# KiCad board nixie.kicad_pcb
date: 2024-10-04; rev: 1.1
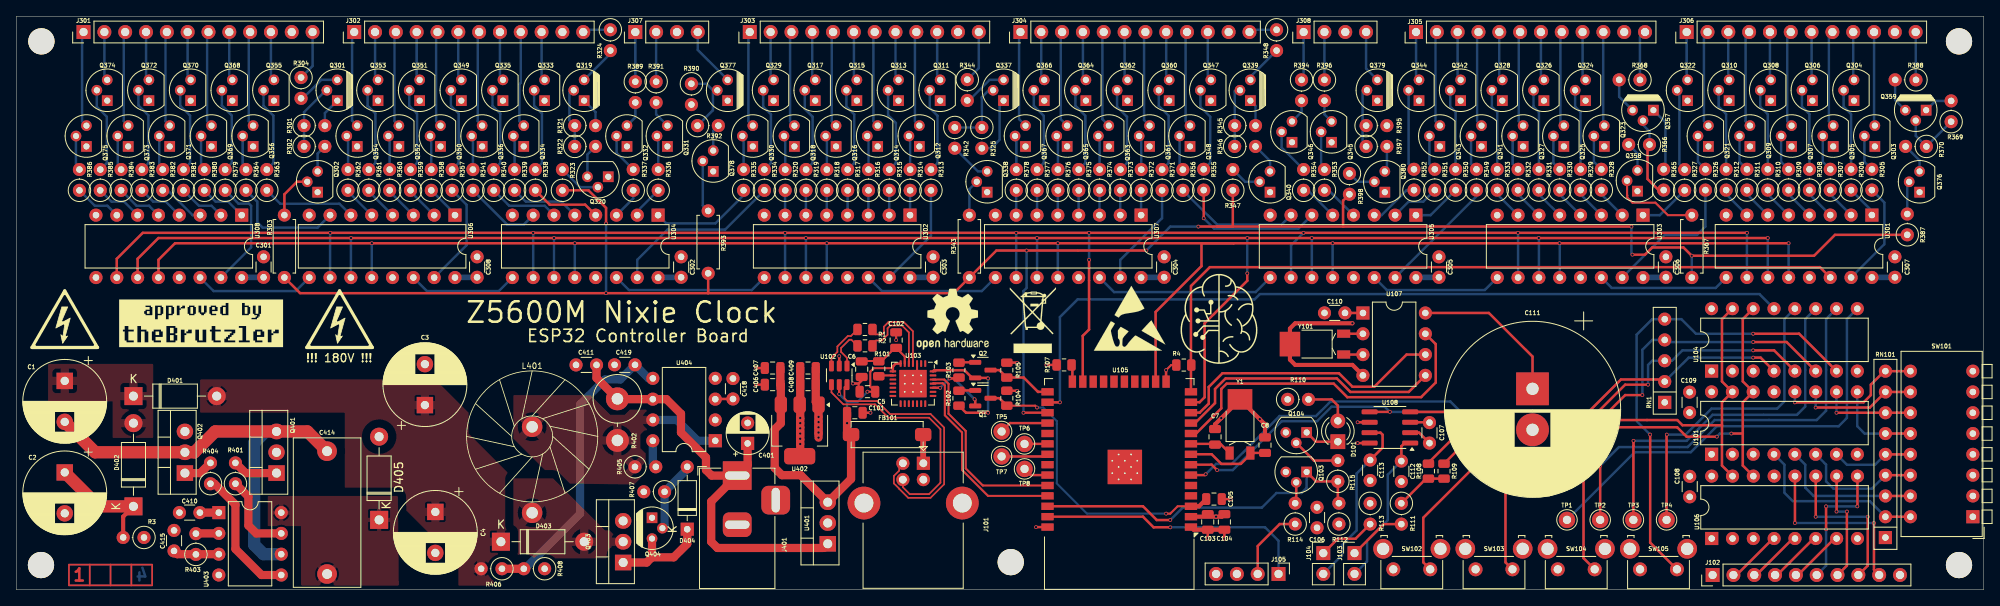
[diagram p0: board, top side]
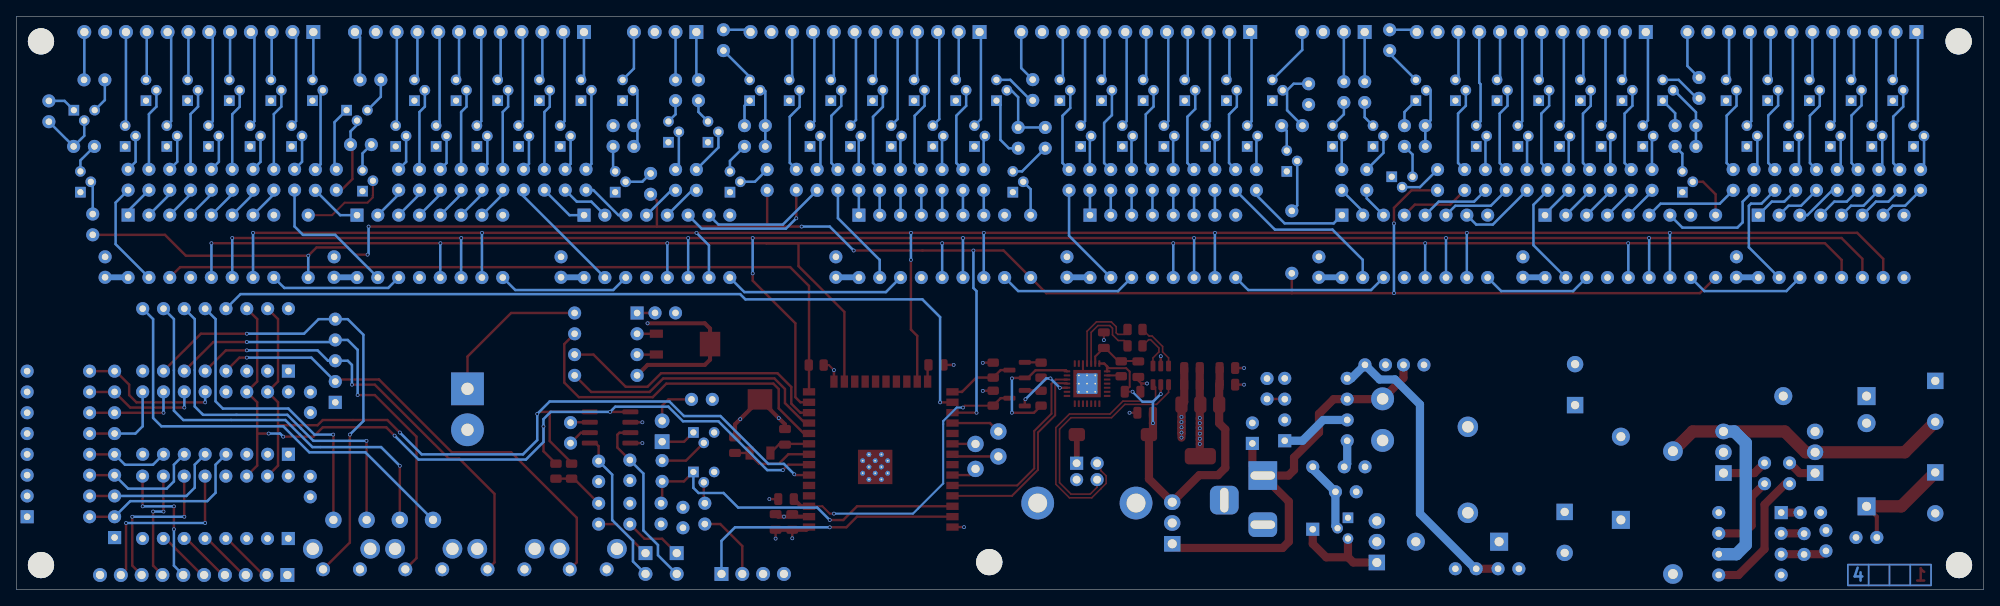
[diagram p1: board, bottom side, seen from below]

Outline 240 x 70 mm; copper layers: Top, In1.Cu (plane), In2.Cu (plane), Bottom. Coordinates in mm from the lower left corner of the outline.
Outline path: 0,70 240,70 240,0 0,0 0,70
Stack: Top 0.035mm / dielectric 0.2104mm FR4 er 4.5 / In1.Cu 0.0152mm / dielectric 1.065mm FR4 er 4.5 / In2.Cu 0.0152mm / dielectric 0.2104mm FR4 er 4.5 / Bottom 0.035mm

## Placement (name value [footprint] x y rotation side)
C1  22µ 250V  [CP_Radial_D10.0mm_P5.00mm]  5.9 25.49 270 top
C2  22µ 250V  [CP_Radial_D10.0mm_P5.00mm]  5.9 14.31 270 top
C3  22µ 250V  [CP_Radial_D10.0mm_P5.00mm]  49.84 22.53 90 top
C4  22µ 250V  [CP_Radial_D10.0mm_P5.00mm]  51.11 9.49 270 top
C5  100n  [C_0805_2012Metric]  103.83 24.17 180 top
C6  4µ7  [C_0805_2012Metric]  103.13 26.92 270 top
C7  10p  [C_0805_2012Metric]  146.23 18.66 90 top
C8  10p  [C_0805_2012Metric]  152.33 17.64 90 top
C101  4µ7  [C_0805_2012Metric]  102.29 21.6 0 top
C102  100n  [C_0805_2012Metric]  107.33 30.47 90 top
C103  4µ7  [C_0805_2012Metric]  145.34 8.26 270 top
C104  100n  [C_0805_2012Metric]  147.38 8.26 270 top
C105  100n  [C_0805_2012Metric]  146.11 11.06 0 top
C106  100n  [C_Disc_D3.0mm_W1.6mm_P2.50mm]  158.68 10.05 270 top
C107  100n  [C_Disc_D3.0mm_W1.6mm_P2.50mm]  172.4 20.4 270 top
C108  100n  [C_Disc_D3.0mm_W1.6mm_P2.50mm]  204.15 13.83 270 top
C109  100n  [C_Disc_D3.0mm_W1.6mm_P2.50mm]  204.13 24.12 270 top
C110  100n  [C_Disc_D3.0mm_W1.6mm_P2.50mm]  162.09 33.79 180 top
C111  1F 3V6  [CP_Radial_D21.5mm_P5.00mm]  184.97 22.02 270 top
C112  1n  [C_Disc_D3.0mm_W1.6mm_P2.50mm]  168.97 15.7 270 top
C113  1n  [C_Disc_D3.0mm_W1.6mm_P2.50mm]  165.16 15.82 270 top
C301  100n  [C_Disc_D3.0mm_W1.6mm_P2.50mm]  30.16 38.14 90 top
C302  100n  [C_Disc_D3.0mm_W1.6mm_P2.50mm]  81.1 38.14 90 top
C303  100n  [C_Disc_D3.0mm_W1.6mm_P2.50mm]  111.83 38.14 90 top
C304  100n  [C_Disc_D3.0mm_W1.6mm_P2.50mm]  140.03 38.14 90 top
C305  100n  [C_Disc_D3.0mm_W1.6mm_P2.50mm]  173.55 38.14 90 top
C306  100n  [C_Disc_D3.0mm_W1.6mm_P2.50mm]  201.24 38.14 90 top
C307  100n  [C_Disc_D3.0mm_W1.6mm_P2.50mm]  229.18 38.14 90 top
C308  100n  [C_Disc_D3.0mm_W1.6mm_P2.50mm]  56.21 38.14 90 top
C401  100µ  [CP_Radial_D5.0mm_P2.50mm]  89.21 17.85 90 top
C406  4µ7  [C_0805_2012Metric]  92.26 25.03 180 top
C407  100n  [C_0805_2012Metric]  92.26 27.06 180 top
C408  100n  [C_0805_2012Metric]  96.58 25.03 0 top
C409  4µ7  [C_0805_2012Metric]  96.58 27.06 0 top
C410  100n  [C_Disc_D3.0mm_W1.6mm_P2.50mm]  22.39 9.41 180 top
C411  100n  [C_Disc_D3.0mm_W1.6mm_P2.50mm]  70.78 27.44 180 top
C414  1µ  [C_Rect_L18.0mm_W8.0mm_P15.00mm_FKS3_FKP3]  37.9 1.91 90 top
C415  1n  [C_Disc_D3.0mm_W1.6mm_P2.50mm]  19.23 4.73 90 top
C418  200p  [C_Disc_D3.0mm_W1.6mm_P2.50mm]  87.42 23.28 90 top
C419  10n  [C_Disc_D3.0mm_W1.6mm_P2.50mm]  75.47 27.45 180 top
D101  LED  [LED_D3.0mm]  161.22 18.07 90 top
D401  UF4007  [D_DO-41_SOD81_P10.16mm_Horizontal]  14.28 23.63 0 top
D402  UF4007  [D_DO-41_SOD81_P10.16mm_Horizontal]  14.28 10.17 90 top
D403  UF4007  [D_DO-41_SOD81_P10.16mm_Horizontal]  59.11 5.85 0 top
D404  1N4148  [D_DO-35_SOD27_P7.62mm_Horizontal]  81.84 7.37 90 top
D405  UF4007  [D_DO-41_SOD81_P10.16mm_Horizontal]  44.25 8.52 90 top
FB101  SMB-001  [SMB-002]  106.23 18.93 0 top
G***  LOGO  [approved_theBrutzler]  22.54 32.52 0 top
G***#2  LOGO  [logo]  146.74 33.03 0 top
J101  USB_B  [USB_B_Lumberg_2411_02_Horizontal]  110.65 15.43 270 top
J102  Conn_01x10  [PinHeader_1x10_P2.54mm_Vertical]  206.94 1.79 90 top
J103  PT100 1  [PinHeader_1x02_P2.54mm_Vertical]  163.25 4.46 0 top
J104  PT100 2  [PinHeader_1x02_P2.54mm_Vertical]  159.44 4.46 0 top
J105  DCF77 Antenna  [PinHeader_1x04_P2.54mm_Vertical]  153.98 1.91 270 top
J301  Sec_One  [PinHeader_1x12_P2.54mm_Vertical]  8.19 68.09 90 top
J302  Sec_Ten  [PinHeader_1x12_P2.54mm_Vertical]  41.21 68.09 90 top
J303  Min_One  [PinHeader_1x12_P2.54mm_Vertical]  89.47 68.09 90 top
J304  Min_Ten  [PinHeader_1x12_P2.54mm_Vertical]  122.49 68.09 90 top
J305  Hr_One  [PinHeader_1x12_P2.54mm_Vertical]  170.75 68.09 90 top
J306  Hr_Ten  [PinHeader_1x12_P2.54mm_Vertical]  203.77 68.09 90 top
J307  Sec_Dec  [PinHeader_1x04_P2.54mm_Vertical]  75.51 68.09 90 top
J308  Sec_Dec  [PinHeader_1x04_P2.54mm_Vertical]  157.04 68.09 90 top
J401  Barrel_Jack  [BarrelJack_Horizontal]  87.94 13.93 90 top
L401  74µH  [FT50-43]  62.92 19.88 270 top
Q1  BC846  [SOT-23]  117.91 23.38 0 top
Q2  BC846  [SOT-23]  117.91 26.81 0 top
Q103  BC546  [TO-92]  157.41 14.37 180 top
Q104  BC546  [TO-92]  157.41 19.19 180 top
Q301  MPSA92  [TO-92]  39.15 59.71 90 top
Q302  MPSA42  [TO-92]  36.75 48.53 90 top
Q303  MPSA42  [TO-92]  226.73 54.12 90 top
Q304  MPSA42  [TO-92]  224.19 59.71 90 top
Q305  MPSA42  [TO-92]  221.65 54.12 90 top
Q306  MPSA42  [TO-92]  219.11 59.71 90 top
Q307  MPSA42  [TO-92]  216.57 54.12 90 top
Q308  MPSA42  [TO-92]  214.03 59.71 90 top
Q309  MPSA42  [TO-92]  211.49 54.12 90 top
Q310  MPSA42  [TO-92]  208.95 59.71 90 top
Q311  MPSA42  [TO-92]  112.7 59.71 90 top
Q312  MPSA42  [TO-92]  110.16 54.12 90 top
Q313  MPSA42  [TO-92]  107.62 59.71 90 top
Q314  MPSA42  [TO-92]  105.08 54.12 90 top
Q315  MPSA42  [TO-92]  102.54 59.71 90 top
Q316  MPSA42  [TO-92]  100 54.12 90 top
Q317  MPSA42  [TO-92]  97.46 59.71 90 top
Q318  MPSA42  [TO-92]  94.92 54.12 90 top
Q319  MPSA92  [TO-92]  69.27 59.71 90 top
Q320  MPSA42  [TO-92]  72.21 50.42 180 top
Q321  MPSA42  [TO-92]  206.43 54.12 90 top
Q322  MPSA42  [TO-92]  203.89 59.71 90 top
Q323  MPSA42  [TO-92]  193.73 54.12 90 top
Q324  MPSA42  [TO-92]  191.44 59.71 90 top
Q325  MPSA42  [TO-92]  188.79 54.12 90 top
Q326  MPSA42  [TO-92]  186.36 59.71 90 top
Q327  MPSA42  [TO-92]  183.82 54.12 90 top
Q328  MPSA42  [TO-92]  181.28 59.71 90 top
Q329  MPSA42  [TO-92]  92.38 59.71 90 top
Q330  MPSA42  [TO-92]  89.84 54.12 90 top
Q331  MPSA42  [TO-92]  79.43 54.12 90 top
Q332  MPSA42  [TO-92]  74.49 54.12 90 top
Q333  MPSA42  [TO-92]  64.44 59.71 90 top
Q334  MPSA42  [TO-92]  61.9 54.12 90 top
Q335  MPSA42  [TO-92]  59.36 59.71 90 top
Q336  MPSA42  [TO-92]  56.82 54.12 90 top
Q337  MPSA92  [TO-92]  120.43 59.71 90 top
Q338  MPSA42  [TO-92]  118.44 48.53 90 top
Q339  MPSA92  [TO-92]  150.55 59.71 90 top
Q340  MPSA42  [TO-92]  152.94 48.53 90 top
Q341  MPSA42  [TO-92]  178.74 54.12 90 top
Q342  MPSA42  [TO-92]  176.2 59.71 90 top
Q343  MPSA42  [TO-92]  173.66 54.12 90 top
Q344  MPSA42  [TO-92]  171.12 59.71 90 top
Q345  MPSA42  [TO-92]  160.45 54.63 90 top
Q346  MPSA42  [TO-92]  155.62 54.63 90 top
Q347  MPSA42  [TO-92]  145.72 59.71 90 top
Q348  MPSA42  [TO-92]  143.18 54.12 90 top
Q349  MPSA42  [TO-92]  54.28 59.71 90 top
Q350  MPSA42  [TO-92]  51.74 54.12 90 top
Q351  MPSA42  [TO-92]  49.2 59.71 90 top
Q352  MPSA42  [TO-92]  46.66 54.12 90 top
Q353  MPSA42  [TO-92]  44.12 59.71 90 top
Q354  MPSA42  [TO-92]  41.58 54.12 90 top
Q355  MPSA42  [TO-92]  31.42 59.71 90 top
Q356  MPSA42  [TO-92]  28.88 54.12 90 top
Q357  MPSA92  [TO-92]  199.72 58.54 180 top
Q358  MPSA42  [TO-92]  197.77 48.66 90 top
Q359  MPSA92  [TO-92]  232.99 58.54 180 top
Q360  MPSA42  [TO-92]  140.64 59.71 90 top
Q361  MPSA42  [TO-92]  138.25 54.12 90 top
Q362  MPSA42  [TO-92]  135.56 59.71 90 top
Q363  MPSA42  [TO-92]  133.27 54.12 90 top
Q364  MPSA42  [TO-92]  130.48 59.71 90 top
Q365  MPSA42  [TO-92]  128.19 54.12 90 top
Q366  MPSA42  [TO-92]  125.4 59.71 90 top
Q367  MPSA42  [TO-92]  123.11 54.12 90 top
Q368  MPSA42  [TO-92]  26.34 59.71 90 top
Q369  MPSA42  [TO-92]  23.8 54.12 90 top
Q370  MPSA42  [TO-92]  21.26 59.71 90 top
Q371  MPSA42  [TO-92]  18.7 54.12 90 top
Q372  MPSA42  [TO-92]  16.16 59.71 90 top
Q373  MPSA42  [TO-92]  13.64 54.12 90 top
Q374  MPSA42  [TO-92]  11.08 59.71 90 top
Q375  MPSA42  [TO-92]  8.54 54.12 90 top
Q376  MPSA42  [TO-92]  232.19 48.53 90 top
Q377  MPSA92  [TO-92]  86.78 59.71 90 top
Q378  MPSA42  [TO-92]  85.01 51.07 90 top
Q379  MPSA92  [TO-92]  166.04 59.71 90 top
Q380  MPSA42  [TO-92]  166.95 48.53 90 top
Q401  IRF740  [TO-220-3_Vertical]  31.73 14.23 90 top
Q402  IRF740  [TO-220-3_Vertical]  20.56 14.23 90 top
Q403  IRF740  [TO-220-3_Vertical]  74.03 3.31 90 top
Q404  BC556  [TO-92]  77.55 8.77 270 top
R1  22R  [R_0805_2012Metric]  103.53 29.77 0 top
R2  22R  [R_0805_2012Metric]  103.53 31.77 180 top
R3  220k  [R_Axial_DIN0207_L6.3mm_D2.5mm_P2.54mm_Vertical]  15.57 6.37 180 top
R4  4k7  [R_0805_2012Metric]  142.42 27.42 180 top
R101  1k  [R_0805_2012Metric]  105.21 26.97 270 top
R102  4k7  [R_0805_2012Metric]  114.99 23.38 90 top
R103  4k7  [R_0805_2012Metric]  114.99 26.81 90 top
R104  4k7  [R_0805_2012Metric]  120.83 23.38 270 top
R105  4k7  [R_0805_2012Metric]  120.83 26.81 270 top
R107  4k7  [R_0805_2012Metric]  127.82 27.44 180 top
R108  3k3  [R_0805_2012Metric]  172.27 14.47 90 top
R109  3k3  [R_0805_2012Metric]  174.17 14.47 90 top
R110  1k  [R_Axial_DIN0207_L6.3mm_D2.5mm_P2.54mm_Vertical]  155.09 23.23 0 top
R111  100 0.1%  [R_Axial_DIN0207_L6.3mm_D2.5mm_P2.54mm_Vertical]  168.97 10.54 270 top
R112  10k  [R_Axial_DIN0207_L6.3mm_D2.5mm_P2.54mm_Vertical]  161.35 8.01 90 top
R113  100 0.1%  [R_Axial_DIN0207_L6.3mm_D2.5mm_P2.54mm_Vertical]  165.16 10.54 270 top
R114  1k  [R_Axial_DIN0207_L6.3mm_D2.5mm_P2.54mm_Vertical]  156.01 8.01 90 top
R115  10k  [R_Axial_DIN0207_L6.3mm_D2.5mm_P2.54mm_Vertical]  161.22 13.22 90 top
R301  220k  [R_Axial_DIN0207_L6.3mm_D2.5mm_P2.54mm_Vertical]  35.09 56.66 0 top
R302  100k  [R_Axial_DIN0207_L6.3mm_D2.5mm_P2.54mm_Vertical]  35.09 54.12 0 top
R303  1k  [R_Axial_DIN0207_L6.3mm_D2.5mm_P7.62mm_Horizontal]  32.7 38.12 90 top
R304  15k  [R_Axial_DIN0207_L6.3mm_D2.5mm_P2.54mm_Vertical]  34.73 62.53 270 top
R305  1k  [R_Axial_DIN0207_L6.3mm_D2.5mm_P2.54mm_Vertical]  226.37 48.79 90 top
R306  1k  [R_Axial_DIN0207_L6.3mm_D2.5mm_P2.54mm_Vertical]  223.83 48.79 90 top
R307  1k  [R_Axial_DIN0207_L6.3mm_D2.5mm_P2.54mm_Vertical]  221.29 48.79 90 top
R308  1k  [R_Axial_DIN0207_L6.3mm_D2.5mm_P2.54mm_Vertical]  218.75 48.79 90 top
R309  1k  [R_Axial_DIN0207_L6.3mm_D2.5mm_P2.54mm_Vertical]  216.21 48.79 90 top
R310  1k  [R_Axial_DIN0207_L6.3mm_D2.5mm_P2.54mm_Vertical]  213.67 48.79 90 top
R311  1k  [R_Axial_DIN0207_L6.3mm_D2.5mm_P2.54mm_Vertical]  211.13 48.79 90 top
R312  1k  [R_Axial_DIN0207_L6.3mm_D2.5mm_P2.54mm_Vertical]  208.59 48.79 90 top
R313  1k  [R_Axial_DIN0207_L6.3mm_D2.5mm_P2.54mm_Vertical]  111.58 48.76 90 top
R314  1k  [R_Axial_DIN0207_L6.3mm_D2.5mm_P2.54mm_Vertical]  109.04 48.76 90 top
R315  1k  [R_Axial_DIN0207_L6.3mm_D2.5mm_P2.54mm_Vertical]  106.5 48.76 90 top
R316  1k  [R_Axial_DIN0207_L6.3mm_D2.5mm_P2.54mm_Vertical]  103.96 48.76 90 top
R317  1k  [R_Axial_DIN0207_L6.3mm_D2.5mm_P2.54mm_Vertical]  101.42 48.76 90 top
R318  1k  [R_Axial_DIN0207_L6.3mm_D2.5mm_P2.54mm_Vertical]  98.88 48.76 90 top
R319  1k  [R_Axial_DIN0207_L6.3mm_D2.5mm_P2.54mm_Vertical]  96.34 48.76 90 top
R320  1k  [R_Axial_DIN0207_L6.3mm_D2.5mm_P2.54mm_Vertical]  93.8 48.76 90 top
R321  220k  [R_Axial_DIN0207_L6.3mm_D2.5mm_P2.54mm_Vertical]  68.11 56.66 0 top
R322  100k  [R_Axial_DIN0207_L6.3mm_D2.5mm_P2.54mm_Vertical]  68.11 54.12 0 top
R323  1k  [R_Axial_DIN0207_L6.3mm_D2.5mm_P2.54mm_Vertical]  66.62 48.76 90 top
R324  15k  [R_Axial_DIN0207_L6.3mm_D2.5mm_P2.54mm_Vertical]  72.46 68.36 270 top
R325  220k  [R_Axial_DIN0207_L6.3mm_D2.5mm_P2.54mm_Vertical]  117.78 56.44 270 top
R326  1k  [R_Axial_DIN0207_L6.3mm_D2.5mm_P2.54mm_Vertical]  206.06 48.79 90 top
R327  1k  [R_Axial_DIN0207_L6.3mm_D2.5mm_P2.54mm_Vertical]  203.53 48.76 90 top
R328  1k  [R_Axial_DIN0207_L6.3mm_D2.5mm_P2.54mm_Vertical]  193.37 48.79 90 top
R329  1k  [R_Axial_DIN0207_L6.3mm_D2.5mm_P2.54mm_Vertical]  190.83 48.79 90 top
R330  1k  [R_Axial_DIN0207_L6.3mm_D2.5mm_P2.54mm_Vertical]  188.28 48.79 90 top
R331  1k  [R_Axial_DIN0207_L6.3mm_D2.5mm_P2.54mm_Vertical]  185.75 48.79 90 top
R332  1k  [R_Axial_DIN0207_L6.3mm_D2.5mm_P2.54mm_Vertical]  183.21 48.79 90 top
R333  1k  [R_Axial_DIN0207_L6.3mm_D2.5mm_P2.54mm_Vertical]  180.67 48.79 90 top
R334  1k  [R_Axial_DIN0207_L6.3mm_D2.5mm_P2.54mm_Vertical]  91.26 48.76 90 top
R335  1k  [R_Axial_DIN0207_L6.3mm_D2.5mm_P2.54mm_Vertical]  88.72 48.76 90 top
R336  1k  [R_Axial_DIN0207_L6.3mm_D2.5mm_P2.54mm_Vertical]  78.3 48.76 90 top
R337  1k  [R_Axial_DIN0207_L6.3mm_D2.5mm_P2.54mm_Vertical]  75.25 48.76 90 top
R338  1k  [R_Axial_DIN0207_L6.3mm_D2.5mm_P2.54mm_Vertical]  63.32 48.76 90 top
R339  1k  [R_Axial_DIN0207_L6.3mm_D2.5mm_P2.54mm_Vertical]  60.78 48.76 90 top
R340  1k  [R_Axial_DIN0207_L6.3mm_D2.5mm_P2.54mm_Vertical]  58.24 48.76 90 top
R341  1k  [R_Axial_DIN0207_L6.3mm_D2.5mm_P2.54mm_Vertical]  55.7 48.76 90 top
R342  100k  [R_Axial_DIN0207_L6.3mm_D2.5mm_P2.54mm_Vertical]  114.48 56.44 270 top
R343  1k  [R_Axial_DIN0207_L6.3mm_D2.5mm_P7.62mm_Horizontal]  116.26 38.11 90 top
R344  15k  [R_Axial_DIN0207_L6.3mm_D2.5mm_P2.54mm_Vertical]  116.01 62.28 270 top
R345  220k  [R_Axial_DIN0207_L6.3mm_D2.5mm_P2.54mm_Vertical]  148.63 56.66 0 top
R346  100k  [R_Axial_DIN0207_L6.3mm_D2.5mm_P2.54mm_Vertical]  148.63 54.12 0 top
R347  1k  [R_Axial_DIN0207_L6.3mm_D2.5mm_P2.54mm_Vertical]  148.41 48.76 90 top
R348  15k  [R_Axial_DIN0207_L6.3mm_D2.5mm_P2.54mm_Vertical]  153.74 68.36 270 top
R349  1k  [R_Axial_DIN0207_L6.3mm_D2.5mm_P2.54mm_Vertical]  178.12 48.79 90 top
R350  1k  [R_Axial_DIN0207_L6.3mm_D2.5mm_P2.54mm_Vertical]  175.59 48.79 90 top
R351  1k  [R_Axial_DIN0207_L6.3mm_D2.5mm_P2.54mm_Vertical]  173.05 48.79 90 top
R352  1k  [R_Axial_DIN0207_L6.3mm_D2.5mm_P2.54mm_Vertical]  170.5 48.79 90 top
R353  1k  [R_Axial_DIN0207_L6.3mm_D2.5mm_P2.54mm_Vertical]  159.58 48.76 90 top
R354  1k  [R_Axial_DIN0207_L6.3mm_D2.5mm_P2.54mm_Vertical]  157.04 48.76 90 top
R355  1k  [R_Axial_DIN0207_L6.3mm_D2.5mm_P2.54mm_Vertical]  144.85 48.79 90 top
R356  1k  [R_Axial_DIN0207_L6.3mm_D2.5mm_P2.54mm_Vertical]  142.31 48.76 90 top
R357  1k  [R_Axial_DIN0207_L6.3mm_D2.5mm_P2.54mm_Vertical]  53.16 48.76 90 top
R358  1k  [R_Axial_DIN0207_L6.3mm_D2.5mm_P2.54mm_Vertical]  50.62 48.76 90 top
R359  1k  [R_Axial_DIN0207_L6.3mm_D2.5mm_P2.54mm_Vertical]  48.08 48.76 90 top
R360  1k  [R_Axial_DIN0207_L6.3mm_D2.5mm_P2.54mm_Vertical]  45.54 48.76 90 top
R361  1k  [R_Axial_DIN0207_L6.3mm_D2.5mm_P2.54mm_Vertical]  43 48.76 90 top
R362  1k  [R_Axial_DIN0207_L6.3mm_D2.5mm_P2.54mm_Vertical]  40.46 48.76 90 top
R363  1k  [R_Axial_DIN0207_L6.3mm_D2.5mm_P2.54mm_Vertical]  30.55 48.76 90 top
R364  1k  [R_Axial_DIN0207_L6.3mm_D2.5mm_P2.54mm_Vertical]  28.01 48.76 90 top
R365  220k  [R_Axial_DIN0207_L6.3mm_D2.5mm_P2.54mm_Vertical]  200.97 48.79 90 top
R366  100k  [R_Axial_DIN0207_L6.3mm_D2.5mm_P2.54mm_Vertical]  199.24 54.35 180 top
R367  1k  [R_Axial_DIN0207_L6.3mm_D2.5mm_P7.62mm_Horizontal]  204.4 38.11 90 top
R368  15k  [R_Axial_DIN0207_L6.3mm_D2.5mm_P2.54mm_Vertical]  198.08 62.25 180 top
R369  220k  [R_Axial_DIN0207_L6.3mm_D2.5mm_P2.54mm_Vertical]  236.04 57.14 90 top
R370  100k  [R_Axial_DIN0207_L6.3mm_D2.5mm_P2.54mm_Vertical]  233.02 54.12 180 top
R371  1k  [R_Axial_DIN0207_L6.3mm_D2.5mm_P2.54mm_Vertical]  139.77 48.76 90 top
R372  1k  [R_Axial_DIN0207_L6.3mm_D2.5mm_P2.54mm_Vertical]  137.23 48.76 90 top
R373  1k  [R_Axial_DIN0207_L6.3mm_D2.5mm_P2.54mm_Vertical]  134.69 48.76 90 top
R374  1k  [R_Axial_DIN0207_L6.3mm_D2.5mm_P2.54mm_Vertical]  132.15 48.76 90 top
R375  1k  [R_Axial_DIN0207_L6.3mm_D2.5mm_P2.54mm_Vertical]  129.61 48.76 90 top
R376  1k  [R_Axial_DIN0207_L6.3mm_D2.5mm_P2.54mm_Vertical]  127.07 48.76 90 top
R377  1k  [R_Axial_DIN0207_L6.3mm_D2.5mm_P2.54mm_Vertical]  124.53 48.76 90 top
R378  1k  [R_Axial_DIN0207_L6.3mm_D2.5mm_P2.54mm_Vertical]  121.99 48.76 90 top
R379  1k  [R_Axial_DIN0207_L6.3mm_D2.5mm_P2.54mm_Vertical]  25.47 48.76 90 top
R380  1k  [R_Axial_DIN0207_L6.3mm_D2.5mm_P2.54mm_Vertical]  22.93 48.76 90 top
R381  1k  [R_Axial_DIN0207_L6.3mm_D2.5mm_P2.54mm_Vertical]  20.39 48.76 90 top
R382  1k  [R_Axial_DIN0207_L6.3mm_D2.5mm_P2.54mm_Vertical]  17.85 48.76 90 top
R383  1k  [R_Axial_DIN0207_L6.3mm_D2.5mm_P2.54mm_Vertical]  15.31 48.76 90 top
R384  1k  [R_Axial_DIN0207_L6.3mm_D2.5mm_P2.54mm_Vertical]  12.77 48.76 90 top
R385  1k  [R_Axial_DIN0207_L6.3mm_D2.5mm_P2.54mm_Vertical]  10.23 48.76 90 top
R386  1k  [R_Axial_DIN0207_L6.3mm_D2.5mm_P2.54mm_Vertical]  7.69 48.76 90 top
R387  1k  [R_Axial_DIN0207_L6.3mm_D2.5mm_P2.54mm_Vertical]  230.69 43.33 90 top
R388  15k  [R_Axial_DIN0207_L6.3mm_D2.5mm_P2.54mm_Vertical]  231.75 62.25 180 top
R389  150k  [R_Axial_DIN0207_L6.3mm_D2.5mm_P2.54mm_Vertical]  75.51 62.02 270 top
R390  220k  [R_Axial_DIN0207_L6.3mm_D2.5mm_P2.54mm_Vertical]  82.35 61.77 270 top
R391  150k  [R_Axial_DIN0207_L6.3mm_D2.5mm_P2.54mm_Vertical]  78.05 62.02 270 top
R392  100k  [R_Axial_DIN0207_L6.3mm_D2.5mm_P2.54mm_Vertical]  83.1 56.66 0 top
R393  1k  [R_Axial_DIN0207_L6.3mm_D2.5mm_P7.62mm_Horizontal]  84.4 46.25 270 top
R394  150k  [R_Axial_DIN0207_L6.3mm_D2.5mm_P2.54mm_Vertical]  156.79 62.25 270 top
R395  220k  [R_Axial_DIN0207_L6.3mm_D2.5mm_P2.54mm_Vertical]  164.66 56.66 0 top
R396  150k  [R_Axial_DIN0207_L6.3mm_D2.5mm_P2.54mm_Vertical]  159.58 62.25 270 top
R397  100k  [R_Axial_DIN0207_L6.3mm_D2.5mm_P2.54mm_Vertical]  164.66 54.12 0 top
R398  1k  [R_Axial_DIN0207_L6.3mm_D2.5mm_P2.54mm_Vertical]  162.63 50.82 270 top
R401  2  [R_Axial_DIN0207_L6.3mm_D2.5mm_P2.54mm_Vertical]  26.73 12.93 90 top
R402  0R461  [R_Axial_DIN0614_L14.3mm_D5.7mm_P5.08mm_Vertical]  73.32 23.3 270 top
R403  10k  [R_Axial_DIN0207_L6.3mm_D2.5mm_P2.54mm_Vertical]  21.9 4.3 90 top
R404  2  [R_Axial_DIN0207_L6.3mm_D2.5mm_P2.54mm_Vertical]  23.68 12.93 90 top
R405  180  [R_Axial_DIN0207_L6.3mm_D2.5mm_P2.54mm_Vertical]  75.47 14.99 0 top
R406  91k  [R_Axial_DIN0207_L6.3mm_D2.5mm_P2.54mm_Vertical]  59.24 2.55 180 top
R407  1k  [R_Axial_DIN0207_L6.3mm_D2.5mm_P2.54mm_Vertical]  79.08 11.95 180 top
R408  1k3  [R_Axial_DIN0207_L6.3mm_D2.5mm_P2.54mm_Vertical]  64.44 2.55 180 top
REF**  -  [MountingHole_3.2mm_M3_DIN965]  237 3 0 top
Ref**  Val**  [ladder_4]  11.49 1.79 0 top
REF**#2  -  [MountingHole_3.2mm_M3_DIN965]  121.31 3.36 0 top
REF**#3  -  [MountingHole_3.2mm_M3_DIN965]  3 3 0 top
REF**#4  -  [MountingHole_3.2mm_M3_DIN965]  237 66.95 0 top
REF**#5  -  [Symbol_HighVoltage_Triangle_8x7mm_Copper]  5.9 33.03 0 top
REF**#6  -  [Symbol_HighVoltage_Triangle_8x7mm_Copper]  39.43 33.03 0 top
REF**#7  -  [OSHW-Logo2_9.8x8mm_SilkScreen]  114.23 33.03 0 top
REF**#8  -  [ESD-Logo_8.9x8mm_SilkScreen]  135.82 33.16 0 top
REF**#9  -  [WEEE-Logo_5.6x8mm_SilkScreen]  124.01 32.9 0 top
REF**#10  -  [MountingHole_3.2mm_M3_DIN965]  3.05 66.95 0 top
RN1  10k  [R_Array_SIP5]  201.1 22.87 90 top
RN101  R_Network08  [R_Array_SIP9]  228.02 6.36 90 top
SW101  SW_DIP_x08  [SW_DIP_SPSTx08_Piano_CTS_Series194-8MSTN_W7.62mm_P2.54mm]  238.69 8.9 180 top
SW102  SW_SPST  [SW_SPST_Omron_B3F-315x_Angled]  172.49 2.48 180 top
SW103  SW_SPST  [SW_SPST_Omron_B3F-315x_Angled]  182.52 2.48 180 top
SW104  SW_SPST  [SW_SPST_Omron_B3F-315x_Angled]  192.55 2.48 180 top
SW105  SW_SPST  [SW_SPST_Omron_B3F-315x_Angled]  202.59 2.48 180 top
TP1  TestPoint  [Pin_D1.0mm_L10.0mm]  189.17 8.52 90 top
TP2  TestPoint  [Pin_D1.0mm_L10.0mm]  193.22 8.52 90 top
TP3  TestPoint  [Pin_D1.0mm_L10.0mm]  197.27 8.52 90 top
TP4  TestPoint  [Pin_D1.0mm_L10.0mm]  201.32 8.52 90 top
TP5  TestPoint  [Pin_D1.0mm_L10.0mm]  120.2 19.31 0 top
TP6  TestPoint  [Pin_D1.0mm_L10.0mm]  122.99 17.79 0 top
TP7  TestPoint  [Pin_D1.0mm_L10.0mm]  120.2 16.26 0 top
TP8  TestPoint  [Pin_D1.0mm_L10.0mm]  122.99 14.74 0 top
U101  PCF8574  [DIP-16_W7.62mm]  206.81 16.53 90 top
U102  USBLC6-2SC6  [SOT-23-6]  100.39 26.17 270 top
U103  CP2102N-Axx-xQFN28  [QFN-28-1EP_5x5mm_P0.5mm_EP3.35x3.35mm_ThermalVias]  109.38 25.15 270 top
U104  PCF8574  [DIP-16_W7.62mm]  206.81 26.69 90 top
U105  -  [ESP32-WROOM-32]  134.55 15.89 180 top
U106  PCF8574  [DIP-16_W7.62mm]  206.83 6.24 90 top
U107  DS1302+  [DIP-8_W7.62mm]  164.28 33.78 0 top
U108  MCP3426Axx-xSN  [SOIC-8_3.9x4.9mm_P1.27mm]  167.57 19.8 180 top
U301  74HC595  [DIP-16_W7.62mm]  226.37 45.74 270 top
U302  74HC595  [DIP-16_W7.62mm]  109.02 45.73 270 top
U303  74HC595  [DIP-16_W7.62mm]  198.45 45.73 270 top
U304  74HC595  [DIP-16_W7.62mm]  78.29 45.73 270 top
U305  74HC595  [DIP-16_W7.62mm]  170.74 45.73 270 top
U306  74HC595  [DIP-16_W7.62mm]  53.51 45.73 270 top
U307  74HC595  [DIP-16_W7.62mm]  137.22 45.73 270 top
U308  74HC595  [DIP-16_W7.62mm]  27.49 45.73 270 top
U401  SY317  [TO-220-3_Vertical]  98.99 5.6 90 top
U402  AMS1117-3.3  [SOT-223-3_TabPin2]  95.56 19.44 270 top
U403  IR2153  [DIP-8_W7.62mm]  24.69 9.41 0 top
U404  MC34063AP  [DIP-8_W7.62mm]  85.26 18.18 180 top
Y1  32.768  [Crystal_SMD_MicroCrystal_MS1V-T1K]  149.28 20.18 180 top
Y101  32.768  [Crystal_SMD_MicroCrystal_MS1V-T1K]  158.43 29.98 270 top
